# Altium PCB 400501.PcbDoc (part 1 of 4) (continued)
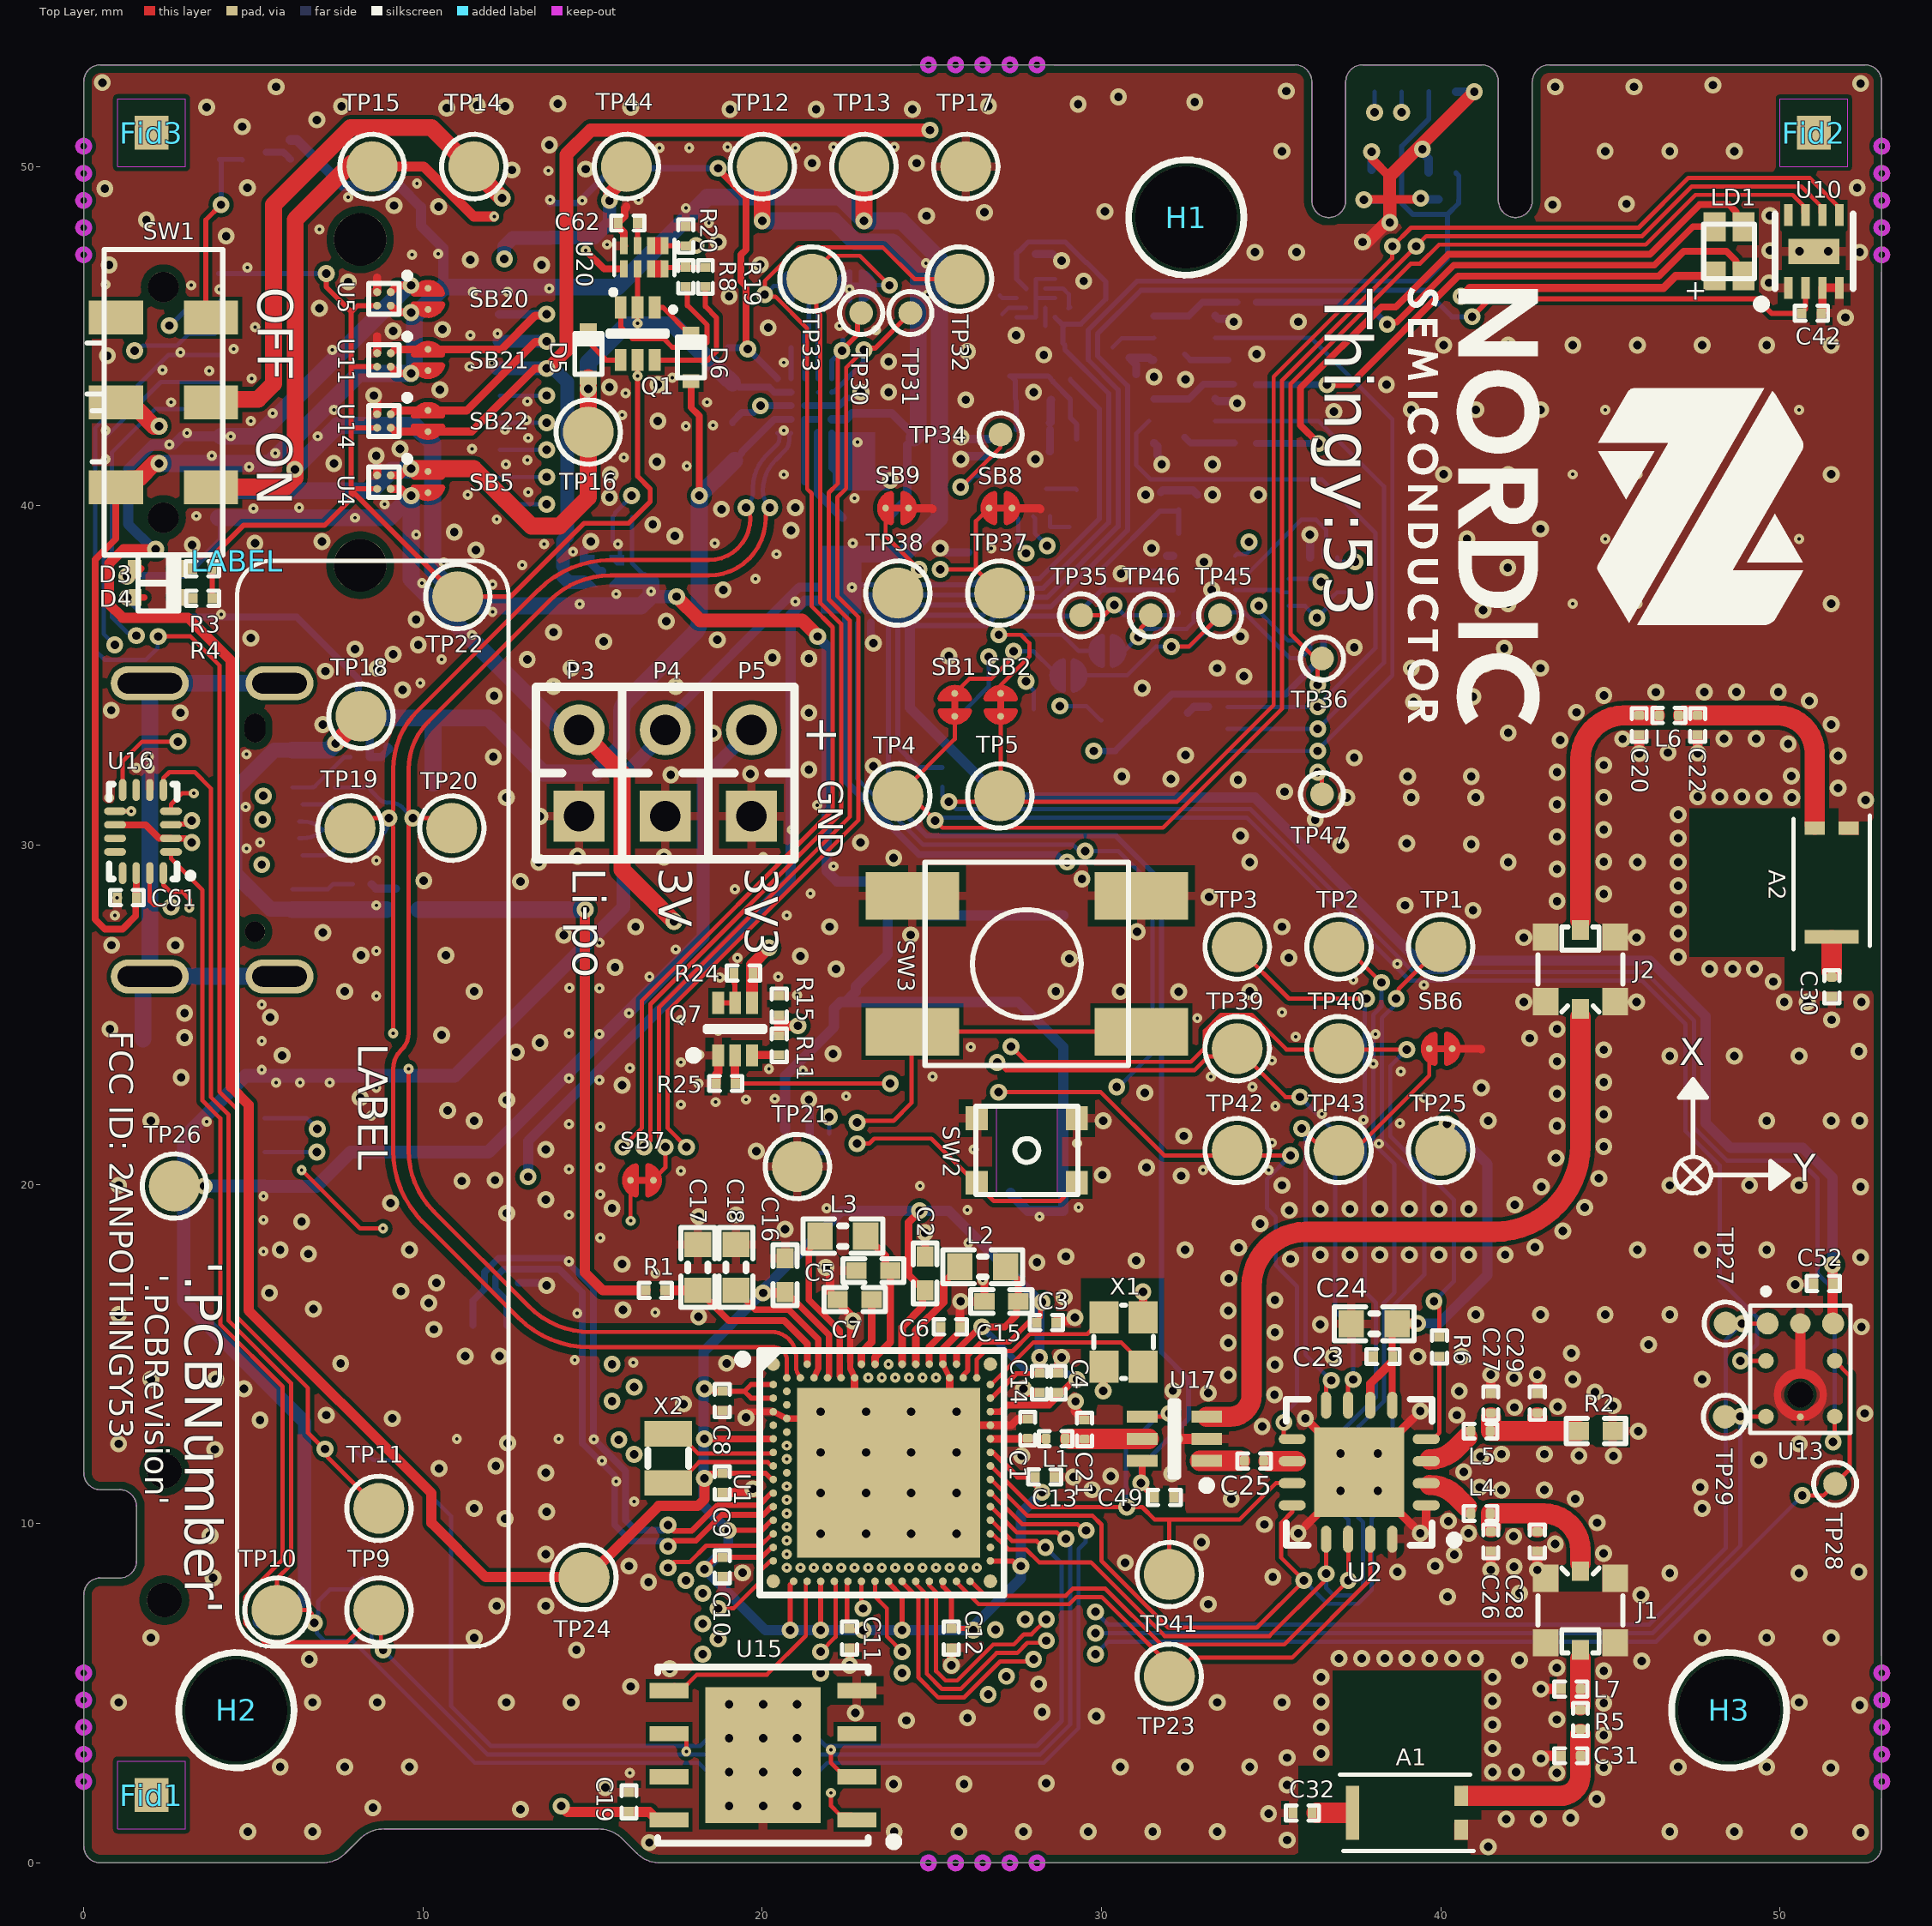
[diagram p0: Top Layer view]
## Components (designator, comment, footprint, x,y, rotation, side; value= is the part's Value field where it differs from the comment) (continued)
TP17 "Ø1.5mm,SMD" TP_SMD_D1.5mm 26,50 r0 top
TP18 "Ø1.5mm,SMD" TP_SMD_D1.5mm 8.175,33.8 r0 top
TP19 "Ø1.5mm,SMD" TP_SMD_D1.5mm 7.85,30.5 r0 top locked
TP20 "Ø1.5mm,SMD" TP_SMD_D1.5mm 10.85,30.5 r0 top locked
TP21 "Ø1.5mm,SMD" TP_SMD_D1.5mm 21.035,20.525 r0 top
TP22 "Ø1.5mm,SMD" TP_SMD_D1.5mm 11.025,37.325 r0 top
TP23 "Ø1.5mm,SMD" TP_SMD_D1.5mm 32,5.5 r0 top
TP24 "Ø1.5mm,SMD" TP_SMD_D1.5mm 14.749,8.416 r0 top
TP25 "Ø1.5mm,SMD" TP_SMD_D1.5mm 40,21 r0 top
TP26 "Ø1.5mm,SMD" TP_SMD_D1.5mm 2.675,19.95 r0 top
TP27 "Ø0.7mm,SMD" TP_SMD_D0.7mm 48.4,15.9 r0 top
TP28 "Ø0.7mm,SMD" TP_SMD_D0.7mm 51.625,11.175 r0 top
TP29 "Ø0.7mm,SMD" TP_SMD_D0.7mm 48.375,13.15 r0 top
TP30 "Ø0.7mm,SMD" TP_SMD_D0.7mm 22.916,45.684 r0 top
TP31 "Ø0.7mm,SMD" TP_SMD_D0.7mm 24.366,45.684 r0 top
TP32 "Ø1.5mm,SMD" TP_SMD_D1.5mm 25.816,46.684 r0 top
TP33 "Ø1.5mm,SMD" TP_SMD_D1.5mm 21.464,46.684 r0 top
TP34 "Ø0.7mm,SMD" TP_SMD_D0.7mm 27.025,42.1 r0 top
TP35 "Ø0.7mm,SMD" TP_SMD_D0.7mm 29.4,36.775 r0 top
TP36 "Ø0.7mm,SMD" TP_SMD_D0.7mm 36.5,35.5 r0 top
TP37 "Ø1.5mm,SMD" TP_SMD_D1.5mm 27,37.428 r0 top
TP38 "Ø1.5mm,SMD" TP_SMD_D1.5mm 24,37.428 r0 top
TP39 "Ø1.5mm,SMD" TP_SMD_D1.5mm 34,24 r0 top
TP40 "Ø1.5mm,SMD" TP_SMD_D1.5mm 37,24 r0 top
TP41 "Ø1.5mm,SMD" TP_SMD_D1.5mm 32,8.5 r0 top
TP42 "Ø1.5mm,SMD" TP_SMD_D1.5mm 34,21 r0 top
TP43 "Ø1.5mm,SMD" TP_SMD_D1.5mm 37,21 r0 top
TP44 "Ø1.5mm,SMD" TP_SMD_D1.5mm 16,50 r0 top
TP45 "Ø0.7mm,SMD" TP_SMD_D0.7mm 33.5,36.775 r0 top
TP46 "Ø0.7mm,SMD" TP_SMD_D0.7mm 31.45,36.775 r0 top
TP47 "Ø0.7mm,SMD" TP_SMD_D0.7mm 36.5,31.5 r0 top
U1 "nRF5340-QKAA" AQFN40P700X700X85_HS-99N 23.525,11.5 r0 top
U2 "nRF21540-QDAAG00" QFN65P400X400X65_HS-17N 37.597,11.517 r180 top
U3 "nPM1100-CAAAE0" BGA25C40P5X5_200X200X50 21.25,42.95 r0 bottom locked
U4 "TCK106AG" BGA4C40P2X2_76X76X62#1 8.85,40.7 r270 top
U5 "TCK106AG" BGA4C40P2X2_76X76X62#1 8.85,46.1 r270 top
U6 "NCP114AMX330" UDFN65P100X100X60_HS-5N 15.275,38.075 r0 bottom
U7 "BMI270" BMI270 33.025,38.025 r90 bottom
U8 "ADXL362" LGA50P322X300X114-16N 27.985,40.965 r180 bottom
U9 "BME688" BME680 39.25,51.011 r90 bottom
U10 "BH1749NUC" WSON50P210X210X60_HS-9N 51,47.5 r90 top locked
U11 "TCK106AG" BGA4C40P2X2_76X76X62#1 8.85,44.3 r270 top
U12 "BMM150" BMM150 28.065,46.122 r270 bottom
U13 "VM3011" VM3011 50.6,13.8 r0 top
U14 "TCK106AG" BGA4C40P2X2_76X76X62#1 8.85,42.5 r270 top
U15 "MX25R6435F" SON127P600X80_HS-9N 20.025,3.175 r180 top locked
U16 "FSA2466UMX" XQFN40P180X260X50-16N 1.75,30.4 r180 top
U17 "PE4259" SOT65P210X100-6N 32.15,12.5 r180 top
U18 "FSA2466UMX" XQFN40P180X260X50-16N 36.35,37.25 r0 bottom
U19 "TCK106AG" BGA4C40P2X2_76X76X62#2 23,36.75 r180 bottom
U20 "SLG59M1448V" SLG59M1448V 16.525,47.325 r90 top
X1 "32MHz" BT-XTAL_2016 30.65,15.355 r90 top
X2 "32.768kHz" XTAL_2012 17.225,11.925 r270 top

## Footprints (in the part's own frame and the unit in brackets; to place one, negate y for a bottom-side part, rotate by r counter-clockwise, add the part's x,y. Pads: shape width x height; smd on the part's side, far side on the other; paste and mask are expansions set on the pad)
"2 PIN STARPOINT"#1 [mil]
  round 5 smd paste-196.85 mask+3: 1(-8,0) 2(8,0)
  Top Layer region: -11,3 11,3 11,-20.67 -11,-20.67
"2 PIN STARPOINT"#2 [mil]
  round 5 smd paste-3 mask-3: 1(-8,0) 2(8,0)
  Top Layer region: -11.03,5.91 10.97,5.91 10.97,-5.91 -11.03,-5.91
"2 PIN STARPOINT"#3 [mil]
  round 5.98 smd paste-196.85 mask-196.85: 1(8,0) 2(-8,0)
  Top Layer region: -11,5.91 11,5.91 11,-5.91 -11,-5.91
10056847-101LF [mm]
  rect 0.5x2 smd: 1(-3.4,-4.1) 2(-2.6,-4.1) 3(-1.8,-4.1) 4(-1,-4.1) 5(-0.2,-4.1) 6(0.6,-4.1) 7(1.4,-4.1) 8(2.2,-4.1) 9(3,-4.1) 10(3.8,-4.1) 11(3.4,4.1) 12(2.6,4.1) 13(1.8,4.1) 14(1,4.1) 15(0.2,4.1) 16(-0.6,4.1) 17(-1.4,4.1) 18(-2.2,4.1) 19(-3,4.1) 20(-3.8,4.1)
  round 1.55 hole 1.55 unplated: ""(-4.8,0) ""(4.8,0)
  silkscreen extent -5.5,-3.9 5.5,3.9, body extent -5.5,-4.5 5.5,4.53, height 5.28
AQFN40P700X700X85_HS-99N [mm] "AQFN, 98-Leads, Body 7.00x7.00mm, Pitch 0.40mm, Thermal Pad 5.4x5.0mm, IPC Medium Density"
  rect 5.4x5 smd: 104(0.2,0)
  round 0.4 smd: A1(-3.2,3.2) A31(3.2,3.2) AL1(-3.2,-3.2) AL31(3.2,-3.2)
  round 0.225 smd paste+0.008: A5(-2.2,3.2) A13(-0.6,3.2) A15(-0.2,3.2) A17(0.2,3.2) A19(0.6,3.2) A21(1,3.2) A23(1.4,3.2) A25(1.8,3.2) A27(2.2,3.2) AA1(-3.2,-1) AA31(3.2,-1) AB2(-2.8,-1.2) AC1(-3.2,-1.4) AC31(3.2,-1.4) AD2(-2.8,-1.6) AE1(-3.2,-1.8) AE31(3.2,-1.8) AF2(-2.8,-2) AG1(-3.2,-2.2) AG31(3.2,-2.2) AH2(-2.8,-2.4) AJ1(-3.2,-2.6) AJ31(3.2,-2.6) AK2(-2.8,-2.8) AK4(-2.4,-2.8) AK6(-2,-2.8) AK8(-1.6,-2.8) AK10(-1.2,-2.8) AK12(-0.8,-2.8) AK14(-0.4,-2.8) AK16(0,-2.8) AK18(0.4,-2.8) AK20(0.8,-2.8) AK22(1.2,-2.8) AK24(1.6,-2.8) AK26(2,-2.8) AK28(2.4,-2.8) AK30(2.8,-2.8) AL3(-2.6,-3.2) AL5(-2.2,-3.2) AL7(-1.8,-3.2) AL9(-1.4,-3.2) AL11(-1,-3.2) AL13(-0.6,-3.2) AL15(-0.2,-3.2) AL17(0.2,-3.2) AL19(0.6,-3.2) AL21(1,-3.2) AL23(1.4,-3.2) AL25(1.8,-3.2) AL27(2.2,-3.2) AL29(2.6,-3.2) B2(-2.8,2.8) B4(-2.4,2.8) B6(-2,2.8) B8(-1.6,2.8) B10(-1.2,2.8) B12(-0.8,2.8) B14(-0.4,2.8) B16(0,2.8) B18(0.4,2.8) B20(0.8,2.8) B22(1.2,2.8) B24(1.6,2.8) B26(2,2.8) B28(2.4,2.8) B30(2.8,2.8) C1(-3.2,2.6) C31(3.2,2.6) D2(-2.8,2.4) E1(-3.2,2.2) E31(3.2,2.2) F2(-2.8,2) G1(-3.2,1.8) G31(3.2,1.8) H2(-2.8,1.6) J1(-3.2,1.4) J31(3.2,1.4) K2(-2.8,1.2) L1(-3.2,1) L31(3.2,1) M2(-2.8,0.8) N1(-3.2,0.6) N31(3.2,0.6) P2(-2.8,0.4) R1(-3.2,0.2) R31(3.2,0.2) T2(-2.8,0) U1(-3.2,-0.2) U31(3.2,-0.2) V2(-2.8,-0.4) W1(-3.2,-0.6) W31(3.2,-0.6) Y2(-2.8,-0.8)
  rrect15% 1.1x1 on Top Paste: ""(-1.75,-1.8) ""(-1.75,-0.6) ""(-1.75,0.6) ""(-1.75,1.8) ""(-0.45,-1.8) ""(-0.45,-0.6) ""(-0.45,0.6) ""(-0.45,1.8) ""(0.85,-1.8) ""(0.85,-0.6) ""(0.85,0.6) ""(0.85,1.8) ""(2.15,-1.8) ""(2.15,-0.6) ""(2.15,0.6) ""(2.15,1.8)
  silkscreen extent -4.22,-3.6 3.6,3.6, body extent -3.5,-3.5 3.5,3.5, height 0.85
BGA4C40P2X2_76X76X62#1 [mm] "BGA, 4-Leads, Body 0.8x0.8mm,  Pitch 0.40mm"
  round 0.235 smd: A1(-0.2,0.2) A2(0.2,0.2) B1(-0.2,-0.2) B2(0.2,-0.2)
  silkscreen extent -0.74,-0.45 0.45,0.74, body extent -0.39,-0.39 0.4,0.4, height 0.55
BGA4C40P2X2_76X76X62#2 [mm] "BGA, 4-Leads, Body 0.8x0.8mm,  Pitch 0.40mm"
  round 0.235 smd mask+0.05: A1(-0.2,0.2) A2(0.2,0.2) B1(-0.2,-0.2) B2(0.2,-0.2)
  silkscreen extent -0.74,-0.45 0.45,0.74, body extent -0.39,-0.39 0.4,0.4, height 0.55
BGA25C40P5X5_200X200X50 [mm] "BGA, 25-Leads, Body 2.00x2.00mmx0.50mm, Pitch 0.40mm"
  round 0.193 smd: A1(-0.8,0.8) A2(-0.4,0.8) A3(0,0.8) A4(0.4,0.8) A5(0.8,0.8) B1(-0.8,0.4) B2(-0.4,0.4) B3(0,0.4) B4(0.4,0.4) B5(0.8,0.4) C1(-0.8,0) C2(-0.4,0) C3(0,0) C4(0.4,0) C5(0.8,0) D1(-0.8,-0.4) D2(-0.4,-0.4) D3(0,-0.4) D4(0.4,-0.4) D5(0.8,-0.4) E1(-0.8,-0.8) E2(-0.4,-0.8) E3(0,-0.8) E4(0.4,-0.8) E5(0.8,-0.8)
  silkscreen extent -1.18,-1 1,1.18, body extent -1,-1 1,1, height 0.5
BME680 [mm]
  rect 0.4x0.4 smd: 1(1.2,1.2) 2(1.2,0.4) 3(1.2,-0.4) 4(1.2,-1.2) 5(-1.2,-1.2) 6(-1.2,-0.4) 7(-1.2,0.4) 8(-1.2,1.2)
  silkscreen extent -1.58,-1.58 1.82,1.83, body extent -1.5,-1.5 1.5,1.5, height 0.93
BMI270 [mm] "Description 6-axis, smart, low-power, inertial measurement unit"
  rect 0.475x0.25 smd: 1(-1.162,0.75) 2(-1.162,0.25) 3(-1.162,-0.25) 4(-1.162,-0.75) 8(1.162,-0.75) 9(1.162,-0.25) 10(1.162,0.25) 11(1.162,0.75)
  rect 0.25x0.475 smd: 5(-0.5,-0.913) 6(0,-0.913) 7(0.5,-0.913) 12(0.5,0.913) 13(0,0.913) 14(-0.5,0.913)
  silkscreen extent -1.76,-1.25 1.5,1.51, body extent -1.5,-1.25 1.5,1.25, height 0.7
BMM150 [mm] "BGA, 12-Leads, Body 1.56x1.56mmx0.60mm, Pitch 0.40mm"
  round 0.2 smd: A1(-0.566,0.566) A3(0,0.566) A5(0.566,0.566) B2(-0.283,0.283) B4(0.283,0.283) C1(-0.566,0) C5(0.566,0) D2(-0.283,-0.283) D4(0.283,-0.283) E1(-0.566,-0.566) E3(0,-0.566) E5(0.566,-0.566)
  silkscreen extent -1.06,-0.88 0.88,1.06, body extent -0.74,-0.81 0.82,0.75, height 0.58
BT-XTAL_2016 [mm] "Crystal 2.0 x 1.6 mm"
  rect 0.95x0.85 smd: 1(-0.725,-0.575) 2(0.725,-0.575) 3(0.725,0.575) 4(-0.725,0.575)
  silkscreen extent -1.08,-0.88 1.08,0.88, body extent -1.05,-0.85 1.05,0.85, height 0.56
Buzzer_PKMCS0909 [mm]
  rect 1.3x3.4 smd: 1(-4.35,0) 2(4.35,0)
  silkscreen extent -4.5,-4.5 4.5,4.5, body extent -4.5,-4.5 4.5,4.5, height 1.9
CAPC0603X03L_C#1 [mm] "Chip Capacitor, 2-Leads, Body 0.6x0.3mm, IPC High Density"
  rect 0.27x0.3 smd: 1(-0.285,0)
  rrect50% 0.27x0.3 smd: 2(0.285,0)
  silkscreen extent -0.49,-0.22 0.49,0.22, body extent -0.3,-0.15 0.31,0.15, height 0.3
CAPC0603X03L_C#2 [mm] "Chip Capacitor, 2-Leads, Body 0.6x0.3mm, IPC High Density"
  rect 0.27x0.3 smd: 1(-0.285,0) 2(0.285,0)
  silkscreen extent -0.49,-0.22 0.49,0.22, body extent -0.3,-0.15 0.31,0.15, height 0.3
CAPC0603X03L_C#3 [mm] "Chip Capacitor, 2-Leads, Body 0.6x0.3mm, IPC High Density"
  rect 0.27x0.3 smd mask+0.05: 1(-0.285,0)
  rrect50% 0.27x0.3 smd mask+0.05: 2(0.285,0)
  silkscreen extent -0.49,-0.22 0.49,0.22, body extent -0.3,-0.15 0.31,0.15, height 0.3
CAPC0603X03L_C#4 [mm] "Chip Capacitor, 2-Leads, Body 0.6x0.3mm, IPC High Density"
  rrect50% 0.27x0.3 smd: 1(-0.285,0) 2(0.285,0)
  silkscreen extent -0.49,-0.22 0.49,0.22, body extent -0.3,-0.15 0.31,0.15, height 0.3
CAPC0603X03L_C#5 [mm] "Chip Capacitor, 2-Leads, Body 0.6x0.3mm, IPC High Density"
  rrect50% 0.27x0.3 smd: 1(-0.285,0)
  rect 0.27x0.3 smd: 2(0.285,0)
  silkscreen extent -0.49,-0.22 0.49,0.22, body extent -0.3,-0.15 0.31,0.15, height 0.3
CAPC0603X03L_C#6 [mm] "Chip Capacitor, 2-Leads, Body 0.6x0.3mm, IPC High Density"
  rect 0.27x0.3 smd mask+0.05: 1(-0.285,0) 2(0.285,0)
  silkscreen extent -0.49,-0.22 0.49,0.22, body extent -0.3,-0.15 0.31,0.15, height 0.3
CAPC0603X03L_C_NC#1 [mm] "Chip Capacitor, 2-Leads, Body 0.6x0.3mm, IPC High Density"
  rect 0.27x0.3 smd mask+0.05: 1(-0.285,0)
  rrect50% 0.27x0.3 smd mask+0.05: 2(0.285,0)
  silkscreen extent -0.49,-0.22 0.49,0.22
CAPC0603X03L_C_NC#2 [mm] "Chip Capacitor, 2-Leads, Body 0.6x0.3mm, IPC High Density"
  rect 0.27x0.3 smd: 1(-0.285,0)
  rrect50% 0.27x0.3 smd: 2(0.285,0)
  silkscreen extent -0.49,-0.22 0.49,0.22
CAPC1005X04L [mm] "Chip Capacitor, 2-Leads, Body 1.0x0.5mm, IPC High Density"
  rect 0.6x0.5 smd: 1(-0.5,0) 2(0.5,0)
  silkscreen extent -0.9,-0.35 0.9,0.35, body extent -0.51,-0.25 0.51,0.25, height 0.5
CAPC1608X06L [mm] "Chip Capacitor, 2-Leads, Body 1.6x0.8mm, IPC High Density"
  rect 0.75x0.8 smd: 1(-0.675,0) 2(0.675,0)
  silkscreen extent -1.17,-0.5 1.17,0.5, body extent -0.8,-0.43 0.8,0.43, height 0.8
COAXIAL-SWF [mm]
  rect 0.5x0.58 smd: 1(0,1.16) 3(0,-1.16)
  rect 0.75x0.8 smd: 2(-1.025,-0.95) 2(-1.025,0.95) 2(1.025,-0.95) 2(1.025,0.95)
  Top Layer pour cut-out: -0.65,0.55 0.65,0.55 0.65,1.35 -0.65,1.35
  Top Layer pour cut-out: 0.65,-0.55 -0.65,-0.55 -0.65,-1.35 0.65,-1.35
  silkscreen extent -1.25,-1.25 1.25,1.25, body extent -1.26,-1.3 1.26,1.3, height 1.55
DFN65P100X40-3L#1 [mm] "DFN, 3-Leads, Body 0.60x1.00mm, Pitch 0.65mm, IPC High Density"
  rect 0.4x0.25 smd mask+0.05: 1(-0.35,0.225) 2(-0.35,-0.225)
  rect 0.4x0.7 smd mask+0.065: 3(0.35,0)
  silkscreen extent -0.57,0.58 -0.48,0.67, body extent -0.53,-0.33 0.53,0.33, height 0.4
DFN65P100X40-3L#2 [mm] "DFN, 3-Leads, Body 0.60x1.00mm, Pitch 0.65mm, IPC High Density"
  rect 0.4x0.25 smd: 1(-0.35,0.225) 2(-0.35,-0.225)
  rect 0.4x0.7 smd: 3(0.35,0)
  silkscreen extent -0.57,0.58 -0.48,0.67, body extent -0.52,-0.33 0.53,0.32, height 0.4
DFN65P200X60_HS-6N [mm] "DFN, 6-Leads, Body 2,00x2,00mm, Pitch 0,65mm, IPC Medium Density"
  rect 0.45x0.35 smd: 1(-0.925,0.65) 2(-0.925,0) 3(-0.925,-0.65) 4(0.925,-0.65) 5(0.925,0) 6(0.925,0.65)
  rect 0.9x0.6 smd: 3(0,-0.525) 6(0,0.525)
  silkscreen extent -1.49,-1.19 1.04,1.24, body extent -1.05,-1.04 1.05,1.04, height 0.61
DX07S016JA1R1500 [mm] "USB TYPE C RECEPTACLE, 16 PIN"
  round 0.6 hole 0.6 unplated: 0(-3,0)
  oval 0.85x0.6 hole 0.6 slot 0.85 at 0 deg unplated: 0(3,0)
  rect 0.52x1 smd mask+0.075: 1(-3.1,1.1) 2(-2.35,1.1) 11(2.35,1.1) 12(3.1,1.1)
  rect 0.27x1 smd mask+0.075: 3(-1.75,1.1) 4(-1.25,1.1)
  rect 0.25x1 smd mask+0.075: 5(-0.75,1.1) 6(-0.25,1.1) 7(0.25,1.1) 8(0.75,1.1) 9(1.25,1.1) 10(1.75,1.1)
  oval 1x2.3 hole 0.6 slot 1.9 at 90 deg: 13(-4.32,-3.1) 13(4.32,-3.1)
  oval 1x2 hole 0.6 slot 1.6 at 90 deg: 13(-4.32,0.725) 13(4.32,0.725)
  rect 1x2 smd: 13(-1.4,-3.1) 13(1.4,-3.1)
  oval 1.2x2.5 on Bottom Paste: ""(-4.32,-3.1) ""(4.32,-3.1)
  oval 1.2x2.2 on Bottom Paste: ""(-4.32,0.725) ""(4.32,0.725)
  silkscreen extent -4.5,-4.8 4.5,-0.45, body extent -4.47,-5.55 4.47,1.35, height 3.18
Fiducial_Round-Square [mm] "Fiducial Mark"
  rect 1x1 smd paste-10 mask+0.5: 0(0,0)
  round 1 smd far side paste-10 mask+0.5: 0(0,0)
  Top Layer keep-out lines w0.01: -1,-1 -1,1 1,1 1,-1 -1,-1
  Bottom Layer keep-out circle w0.01: c0,0 r1
FPC_05P-0.5mm-RA-SMD [mm] "FPC, 5-Leads, Pitch 0,5mm"
  rect 0.6x2.6 smd: 0(-0.9,-2.3) 0(2.9,-2.3)
  rect 0.3x0.8 smd: 1(0,0) 2(0.5,0) 3(1,0) 4(1.5,0) 5(2,0)
  silkscreen extent -1.38,-3.93 3.38,0.08, body extent -1.3,-3.85 3.3,0.2, height 1.2
HDR_2x5-SMD-1.27mm-ANG [mm] "Pin Header Angled, 1.27mm SMD, FTSH-105 series, \"SWD\" version"
  round 1.02 hole 1.02 unplated: 0(-1.905,-4.32) 0(1.905,-4.32)
  rect 0.76x2.03 smd: 1(-2.54,-1.525) 2(-2.54,1.525) 3(-1.27,-1.525) 4(-1.27,1.525) 5(0,-1.525) 6(0,1.525) 7(1.27,-1.525) 8(1.27,1.525) 9(2.54,-1.525) 10(2.54,1.525)
  silkscreen extent -3.17,-5.57 3.17,-3.07, body extent -3.18,-8.63 3.17,2.27, height 3.41
HOLE_NP_3MM [mm] "Regular 3mm non-plated hole"
  round 3 hole 3 unplated: ""(0,0)
  silkscreen extent -1.7,-1.7 1.7,1.7
INDC0603X03L_C [mm] "Chip Inductor, 2-Leads, Body 0.6x0.3mm, IPC High Density"
  rrect50% 0.27x0.3 smd: 1(-0.285,0) 2(0.285,0)
  silkscreen extent -0.49,-0.22 0.49,0.22, body extent -0.31,-0.16 0.31,0.16, height 0.26
INDC0603X03L_C_NC [mm] "Chip Inductor, 2-Leads, Body 0.6x0.3mm, IPC High Density"
  rect 0.27x0.3 smd: 1(-0.285,0)
  rrect50% 0.27x0.3 smd: 2(0.285,0)
  silkscreen extent -0.49,-0.22 0.49,0.22
INDC1005X04L [mm] "Chip Inductor, 2-Leads, Body 1.0x0.5mm, IPC High Density"
  rect 0.65x0.5 smd: 1(-0.475,0) 2(0.475,0)
  silkscreen extent -0.9,-0.35 0.9,0.35, body extent -0.5,-0.3 0.5,0.3, height 0.5
INDC1608X06L [mm] "Chip Inductor, 2-Leads, Body 1.6x0.8mm, IPC High Density"
  rect 0.75x0.8 smd: 1(-0.675,0) 2(0.675,0)
  silkscreen extent -1.17,-0.5 1.17,0.5, body extent -0.8,-0.48 0.8,0.48, height 0.8
LabelSilk_8x32 [mm] "PCA version label, stick-on, 8x32mm"
  silkscreen extent 0,0 32,8, body extent 0,0 32,8, height 0.1
LED_RGB_0606 [mm]
  rect 0.65x0.85 smd: 1(-0.425,0.725) 2(0.425,0.725) 3(0.425,-0.725) 4(-0.425,-0.725)
  silkscreen extent -0.75,-0.8 0.75,0.8, body extent -0.75,-0.8 0.75,0.8, height 0.35
LGA50P322X300X114-16N [mm] "LGA, 16-Leads, Body 3.25x3.00mm, Pitch 0.50mm, IPC Medium Density"
  rect 0.925x0.3 smd mask+0.06: 1(-1.288,1) 2(-1.288,0.5) 3(-1.288,0) 4(-1.288,-0.5) 5(-1.288,-1) 10(1.288,-0.5) 11(1.288,0) 12(1.288,0.5) 13(1.288,1)
  rect 0.3x0.8 smd mask+0.06: 6(-0.5,-1.275) 7(0,-1.275) 8(0.5,-1.275) 14(0.5,1.275) 15(0,1.275) 16(-0.5,1.275)
  rect 0.925x0.3 smd mask+0.055: 9(1.288,-1)
  silkscreen extent -2.5,-1.62 1.72,1.67, body extent -1.65,-1.55 1.65,1.55, height 1.14
LIST_1x2-NC [mm] "Pin List, 2.54mm through hole"
  rect 1.5x1.5 hole 0.9: 1(-1.27,0)
  round 1.5 hole 0.9: 2(1.27,0)
  silkscreen extent -2.54,-1.27 2.54,1.27
QFN65P400X400X65_HS-17N [mm] "QFN, 16-Leads, Body 4.00x4.00mm, Pitch 0.65mm, Thermal Pad 2.65x2.65mm, IPC Medium Density"
  oval 0.8x0.3 smd: 1(-1.975,0.975) 2(-1.975,0.325) 3(-1.975,-0.325) 4(-1.975,-0.975) 9(1.975,-0.975) 10(1.975,-0.325) 11(1.975,0.325) 12(1.975,0.975)
  oval 0.3x0.8 smd: 5(-0.975,-1.975) 6(-0.325,-1.975) 7(0.325,-1.975) 8(0.975,-1.975) 13(0.975,1.975) 14(0.325,1.975) 15(-0.325,1.975) 16(-0.975,1.975)
  rect 2.65x2.65 smd: 17(0,0)
  silkscreen extent -2.93,-2.15 2.15,2.15, body extent -2,-2 2,2, height 0.65
RESC0603X03L_C#1 [mm] "Chip Resistor, 2-Leads, Body 0.6x0.3mm, IPC High Density"
  rect 0.27x0.3 smd: 1(-0.285,0) 2(0.285,0)
  silkscreen extent -0.49,-0.22 0.49,0.22, body extent -0.3,-0.15 0.3,0.15, height 0.23
RESC0603X03L_C#2 [mm] "Chip Resistor, 2-Leads, Body 0.6x0.3mm, IPC High Density"
  rrect50% 0.27x0.3 smd: 1(-0.285,0) 2(0.285,0)
  silkscreen extent -0.49,-0.22 0.49,0.22, body extent -0.3,-0.15 0.3,0.15, height 0.23
RESC0603X03L_C_NC [mm] "Chip Resistor, 2-Leads, Body 0.6x0.3mm, IPC High Density"
  rect 0.27x0.3 smd: 1(-0.285,0) 2(0.285,0)
  silkscreen extent -0.49,-0.22 0.49,0.22
RESC1005X04L [mm] "Chip Resistor, 2-Leads, Body 1.0x0.5mm, IPC High Density"
  rect 0.6x0.55 smd mask+0.05: 1(-0.5,0) 2(0.5,0)
  silkscreen extent -0.87,-0.38 0.88,0.38, body extent -0.5,-0.25 0.5,0.25, height 0.3
SLG59M1448V [mm] "SON, 8-Leads, Body 1,60x1,00mm, Pitch 0,40mm, IPC Medium Density"
  rect 0.5x0.23 smd mask+0.05: 1(-0.34,0.6) 2(-0.34,0.2) 3(-0.34,-0.2) 4(-0.34,-0.6) 5(0.34,-0.6) 6(0.34,-0.2) 7(0.34,0.2) 8(0.34,0.6)
  Top Layer region: 0.09,-0.515 0.59,-0.515 0.59,-0.285 0.09,-0.285
  Top Layer region: -0.59,-0.515 -0.09,-0.515 -0.09,-0.285 -0.59,-0.285
  silkscreen extent -1.08,-0.89 0.53,0.96, body extent -0.53,-0.82 0.53,0.82, height 0.6
SM03B-SRSS-TB [mm] "JST, SH connector, side entry SMD, 1mm pitch"
  rect 1.2x1.8 smd: 0(-2.6,-3.875) 0(2.6,-3.875)
  rect 0.6x1.55 smd: 1(-1,0) 2(0,0) 3(1,0)
  silkscreen extent -2.57,-4.68 2.58,-0.3, body extent -2.5,-4.61 2.5,0.34, height 2.95
SM04B-SRSS-TB [mm]
  rect 1.2x1.8 smd: 0(-2.8,0) 0(2.8,0)
  rect 0.6x1.55 smd: 1(-1.5,3.875) 2(-0.5,3.875) 3(0.5,3.875) 4(1.5,3.875)
  silkscreen extent -3,-0.7 3,3.55, body extent -3,-0.7 3,4.25, height 2.96
SOD-123-DIODE [mil]
  rect 36x48 smd: 1(-70,0) 2(70,0)
  silkscreen extent -58,-36 58,36, body extent -77,-33 75,33, height 56
SOD-523 [mm]
  rect 0.4x0.5 smd: 1(0.7,0) 3(-0.7,0)
  silkscreen extent -0.6,-0.4 0.6,0.4, body extent -0.8,-0.4 0.8,0.4, height 0.7
Solderbridge#1 [mm]
  round 0.2 smd paste-10: 1(-0.312,0) 2(0.312,0)
  Top Layer region: -0.077,-0.432 -0.152,-0.505 -0.271,-0.467 -0.335,-0.424 -0.409,-0.351 -0.462,-0.292 -0.521,-0.193 -0.549,-0.099 -0.544,0.122 -0.518,0.193 -0.434,0.33 -0.351,0.411 -0.259,0.469 -0.157,0.5 -0.107,0.483 -0.077,0.43
  Top Layer region: 0.077,0.432 0.152,0.505 0.271,0.467 0.335,0.424 0.409,0.351 0.462,0.292 0.521,0.193 0.549,0.099 0.544,-0.122 0.518,-0.193 0.434,-0.33 0.351,-0.411 0.259,-0.469 0.157,-0.5 0.107,-0.483 0.077,-0.43
  Top Layer lines w0.152: 0.153,-0.431 ccw(c0.042,0) 0.461,0.149 ccw(c0.042,0) 0.153,0.431 ; -0.153,-0.431 cw(c-0.042,0) -0.439,-0.2 cw(c-0.042,0) -0.487,0 cw(c-0.042,0) -0.153,0.431
Solderbridge#2 [mm]
  round 0.2 smd paste-1: 1(-0.312,0) 2(0.312,0)
  Top Layer region: 0.077,0.432 0.152,0.505 0.271,0.467 0.335,0.424 0.409,0.351 0.462,0.292 0.521,0.193 0.549,0.099 0.544,-0.122 0.518,-0.193 0.434,-0.33 0.351,-0.411 0.259,-0.469 0.157,-0.5 0.107,-0.483 0.077,-0.43
  Top Layer region: -0.077,-0.432 -0.152,-0.505 -0.271,-0.467 -0.335,-0.424 -0.409,-0.351 -0.462,-0.292 -0.521,-0.193 -0.549,-0.099 -0.544,0.122 -0.518,0.193 -0.434,0.33 -0.351,0.411 -0.259,0.469 -0.157,0.5 -0.107,0.483 -0.077,0.43
  Top Layer lines w0.152: 0.153,-0.431 ccw(c0.042,0) 0.153,0.431 ; -0.153,-0.431 cw(c-0.042,0) -0.332,-0.337 cw(c-0.042,0) -0.4,-0.264 cw(c-0.042,0) -0.4,0.264 cw(c-0.042,0) -0.275,0.379 cw(c-0.042,0) -0.153,0.431
Solderbridge#3 [mm]
  round 0.2 smd paste-1: 1(-0.312,0) 2(0.312,0)
  Top Layer region: 0.077,0.432 0.152,0.505 0.271,0.467 0.335,0.424 0.409,0.351 0.462,0.292 0.521,0.193 0.549,0.099 0.544,-0.122 0.518,-0.193 0.434,-0.33 0.351,-0.411 0.259,-0.469 0.157,-0.5 0.107,-0.483 0.077,-0.43
  Top Layer region: -0.077,-0.432 -0.152,-0.505 -0.271,-0.467 -0.335,-0.424 -0.409,-0.351 -0.462,-0.292 -0.521,-0.193 -0.549,-0.099 -0.544,0.122 -0.518,0.193 -0.434,0.33 -0.351,0.411 -0.259,0.469 -0.157,0.5 -0.107,0.483 -0.077,0.43
  Top Layer lines w0.152: 0.153,-0.431 ccw(c0.042,0) 0.349,-0.322 ccw(c0.042,0) 0.312,0.353 ccw(c0.042,0) 0.153,0.431 ; -0.153,-0.431 cw(c-0.042,0) -0.153,0.431
Solderbridge#4 [mm]
  round 0.2 smd paste-1: 1(-0.312,0) 2(0.312,0)
  Top Layer region: 0.077,0.432 0.152,0.505 0.271,0.467 0.335,0.424 0.409,0.351 0.462,0.292 0.521,0.193 0.549,0.099 0.544,-0.122 0.518,-0.193 0.434,-0.33 0.351,-0.411 0.259,-0.469 0.157,-0.5 0.107,-0.483 0.077,-0.43
  Top Layer region: -0.077,-0.432 -0.152,-0.505 -0.271,-0.467 -0.335,-0.424 -0.409,-0.351 -0.462,-0.292 -0.521,-0.193 -0.549,-0.099 -0.544,0.122 -0.518,0.193 -0.434,0.33 -0.351,0.411 -0.259,0.469 -0.157,0.5 -0.107,0.483 -0.077,0.43
  Top Layer lines w0.152: 0.153,-0.431 ccw(c0.042,0) 0.312,-0.353 ; -0.153,-0.431 cw(c-0.042,0) -0.3,-0.362 cw(c-0.042,0) -0.312,-0.353 cw(c-0.042,0) -0.312,0.353 cw(c-0.042,0) -0.153,0.431 ; 0.461,-0.149 cw(c0.042,0) 0.312,-0.353 ; 0.153,0.431 cw(c0.042,0) 0.312,0.353 cw(c0.042,0) 0.312,-0.353
Solderbridge_Shorted#1 [mm]
  round 0.2 smd paste-10: 1(-0.338,0) 2(0.338,0)
  Top Layer region: 0.102,0.432 0.178,0.505 0.296,0.467 0.361,0.424 0.434,0.351 0.488,0.292 0.546,0.193 0.574,0.099 0.569,-0.122 0.544,-0.193 0.46,-0.33 0.376,-0.411 0.284,-0.469 0.183,-0.5 0.132,-0.483 0.102,-0.43
  Top Layer region: -0.102,-0.432 -0.178,-0.505 -0.296,-0.467 -0.361,-0.424 -0.434,-0.351 -0.488,-0.292 -0.546,-0.193 -0.574,-0.099 -0.569,0.122 -0.544,0.193 -0.46,0.33 -0.376,0.411 -0.284,0.469 -0.183,0.5 -0.132,0.483 -0.102,0.43
  Top Layer lines w0.152: 0.178,-0.431 ccw(c0.068,0) 0.178,0.431 ; -0.178,-0.431 cw(c-0.068,0) -0.178,0.431
  Top Layer lines w0.203: 0.338,0 -0.338,0
Solderbridge_Shorted#2 [mm]
  round 0.2 smd paste-10: 1(-0.338,0) 2(0.338,0)
  Top Layer region: 0.102,0.432 0.178,0.505 0.296,0.467 0.361,0.424 0.434,0.351 0.488,0.292 0.546,0.193 0.574,0.099 0.569,-0.122 0.544,-0.193 0.46,-0.33 0.376,-0.411 0.284,-0.469 0.183,-0.5 0.132,-0.483 0.102,-0.43
  Top Layer region: -0.102,-0.432 -0.178,-0.505 -0.296,-0.467 -0.361,-0.424 -0.434,-0.351 -0.488,-0.292 -0.546,-0.193 -0.574,-0.099 -0.569,0.122 -0.544,0.193 -0.46,0.33 -0.376,0.411 -0.284,0.469 -0.183,0.5 -0.132,0.483 -0.102,0.43
  Top Layer lines w0.152: -0.178,-0.431 cw(c-0.068,0) -0.178,0.431 ; 0.178,-0.431 ccw(c0.068,0) 0.48,0.167 ccw(c0.068,0) 0.178,0.431
  Top Layer lines w0.203: -0.338,0 0.312,0 0.338,0
Solderbridge_Shorted#3 [mm]
  round 0.025 smd paste-2539.97: 1(-0.35,0) 2(0.35,0)
  Top Layer region: -0.125,0.1 -0.125,-0.1 0.125,-0.1 0.125,0.1
  Top Layer region: -0.19,0.492 -0.4,0.4 -0.547,0.223 -0.6,0 -0.6,0 -0.547,-0.223 -0.4,-0.4 -0.19,-0.492 -0.19,-0.492 -0.157,-0.491 -0.127,-0.475 -0.107,-0.449 -0.1,-0.417 -0.1,-0.417 -0.1,0.417 -0.107,0.449 -0.127,0.475 -0.157,0.491 -0.19,0.492
  Top Layer region: 0.19,-0.492 0.4,-0.4 0.547,-0.223 0.6,0 0.6,0 0.547,0.223 0.4,0.4 0.19,0.492 0.19,0.492 0.157,0.491 0.127,0.475 0.107,0.449 0.1,0.417 0.1,0.417 0.1,-0.417 0.107,-0.449 0.127,-0.475 0.157,-0.491 0.19,-0.492
SON127P600X80_HS-9N [mm] "SON, 8-Leads, Body 5.00x6.00mm, Pitch 1.27mm, Thermal Pad 4.00x3.40mm, IPC Medium Density"
  rect 1.15x0.45 smd: 1(-2.77,1.905) 2(-2.77,0.635) 3(-2.77,-0.635) 4(-2.77,-1.905) 5(2.77,-1.905) 6(2.77,-0.635) 7(2.77,0.635) 8(2.77,1.905)
  rect 3.4x4 smd: 9(0,0)
  silkscreen extent -3.97,-2.6 3.1,2.67, body extent -3.05,-2.55 3.05,2.55, height 0.8
SOT65P210X100-6N [mm] "SOT23, 6-Leads, Body 2,2x2,4mm (max), Pitch 0,65mm, IPC Medium Density"
  rect 0.9x0.35 smd: 1(-0.95,0.65) 2(-0.95,0) 3(-0.95,-0.65) 4(0.95,-0.65) 5(0.95,0) 6(0.95,0.65)
  silkscreen extent -1.08,-1.1 0.1,1.5, body extent -1.05,-1 1.05,1, height 0.92
SOT190P230X110-4L [mm] "SOT143, 4-Leads, Body 3.0x2.5mm (max), Pitch 1.90mm, IPC High Density"
  rect 0.85x1 smd: 1(-1.025,0.75)
  rect 0.85x0.6 smd: 2(-1.025,-0.95) 3(1.025,-0.95) 4(1.025,0.95)
  silkscreen extent -1.15,-1.5 0.7,1.93, body extent -1.21,-1.46 1.21,1.46, height 1
SOTFL50P162X60-6N [mm] "SOTFL, 6-Leads, Body 1.60x1.63mm, Pitch 0.50mm, IPC Medium Density"
  rect 0.65x0.35 smd: 1(-0.775,0.5) 2(-0.775,0) 3(-0.775,-0.5) 4(0.775,-0.5) 5(0.775,0) 6(0.775,0.5)
  silkscreen extent -0.76,-0.85 0.05,1.1, body extent -0.81,-0.85 0.81,0.85, height 0.6
SW_TACTILE_2.6x3.0MM_4-LEAD [mm] "2.6×3.0mm TACT Switch, without ground connector"
  rect 0.65x0.7 smd: 1(-1.475,0.95) 1(1.475,0.95) 2(-1.475,-0.95) 2(1.475,-0.95)
  Top Layer keep-out region: -0.9,-1.3 0.9,-1.3 0.9,1.3 -0.9,1.3
  silkscreen extent -1.5,-1.3 1.5,1.3, body extent -1.6,-1.3 1.6,1.3, height 0.65
Switch-PB-6.2x6.3mm-SMD [mm] "6.2×6.5mm TACT Switch, without ground connector"
  rect 2.75x1.4 smd: 1(-3.375,2) 1(3.375,2) 2(-3.375,-2) 2(3.375,-2)
  silkscreen extent -3,-3 3,3, body extent -4,-3 4,3.3, height 3.1
Switch-Slide-RA-J-Lead-DPDT-8.5x3.5mm [mm] "Slide Switches - DPDT, SMD, ON-ON"
  round 0.9 hole 0.9 unplated: 0(-3.4,0) 0(3.4,0)
  rect 1x1.6 smd: 1(-2.5,-1.4) 2(0,-1.4) 3(2.5,-1.4) 4(-2.5,1.4) 5(0,1.4) 6(2.5,1.4)
  silkscreen extent -4.5,-2.25 4.5,1.75, body extent -4.25,-3.75 4.25,1.75, height 3.5
TP_SMD_D0.7mm [mm] "Test point - pad 0.7mm"
  round 0.7 smd paste-5: 1(0,0)
  silkscreen extent -0.63,-0.63 0.64,0.63
TP_SMD_D1.0mm [mm] "Test point - pad 1.0mm"
  round 1 smd paste-5: 1(0,0)
  silkscreen extent -0.76,-0.76 0.76,0.76
TP_SMD_D1.5mm [mm] "Test point - pad 1.5mm"
  round 1.5 smd paste-5: 1(0,0)
  silkscreen extent -0.95,-0.95 0.95,0.95
UDFN65P100X100X60_HS-5N [mm] "UDFN, 4-Leads, Body 1.00x1.00mmx0.60mm, Pitch 0.65mm"
  rect 0.23x0.3 smd: 1(-0.535,0.325) 2(-0.535,-0.325) 3(0.535,-0.325) 4(0.535,0.325)
  rect 0.5x0.5 smd rot 135: 5(0,0)
  Top Layer region: -0.65,-0.475 -0.22,-0.475 -0.22,-0.375 -0.42,-0.175 -0.65,-0.175
  Top Layer region: -0.65,0.475 -0.12,0.475 -0.42,0.175 -0.65,0.175
  Top Layer region: 0.65,-0.475 0.22,-0.475 0.22,-0.375 0.42,-0.175 0.65,-0.175
  Top Layer region: 0.65,0.475 0.22,0.475 0.22,0.375 0.42,0.175 0.65,0.175
  silkscreen extent -0.8,-0.56 0.56,0.8, body extent -0.5,-0.5 0.5,0.5, height 0.6
VM3011 [mm]
  rrect100% 0.65x0.65 smd: 1(-0.965,2.1) 6(0.965,2.1)
  rrect100% 0.46x0.46 smd: 2(-1.015,1) 3(-1.015,-0.64) 4(1.015,-0.64) 5(1.015,1)
  rrect100% 0.6x0.6 smd: 7(0,2.1)
  rrect100% 0.2x0.2 smd: 8(0,-0.65)
  round 0.75 hole 0.75 unplated: MH1(0,0)
  Top Layer region: -0.001,0.48 -0.001,0.78 -0.299,0.721 -0.552,0.552 -0.721,0.299 -0.78,0.001 -0.78,0.001 -0.78,0 -0.721,-0.299 -0.552,-0.552 -0.299,-0.721 0,-0.78 0,-0.78 0.299,-0.721 0.552,-0.552 0.721,-0.299 0.78,0 0.78,0 0.78,0.001 0.721,0.299 0.552,0.552 0.299,0.721 0.001,0.78 0.001,0.78 0.001,0.48 0.177,0.446 0.328,0.351 0.328,0.351 0.36,0.32 0.381,0.311 0.486,0.236 0.556,0.128 0.58,0.001 0.58,0.001 0.58,-0.001 0.556,-0.128 0.486,-0.236 0.381,-0.311 0.381,-0.311 0.36,-0.32 0.329,-0.35 0.177,-0.446 0,-0.48 0,-0.48 -0.177,-0.446 -0.328,-0.35 -0.328,-0.35 -0.36,-0.32 -0.381,-0.311 -0.486,-0.236 -0.556,-0.128 -0.58,-0.001 -0.58,-0.001 -0.58,0.001 -0.556,0.128 -0.486,0.236 -0.381,0.311 -0.381,0.311 -0.36,0.32 -0.328,0.351 -0.177,0.446 -0.001,0.48
  silkscreen extent -1.48,-1.13 1.48,3.1, body extent -1.47,-1.13 1.47,2.63, height 1.3
WLA.01 [mm]
  rect 0.4x0.6 smd paste-2 mask+0.1: 1(-1.6,-0.5) 2(-1.6,0.5)
  rect 0.4x1.6 smd paste-2 mask+0.1: 3(1.6,0)
  Multi-Layer pour cut-out: -1.8,0.8 -1.8,1.175 -1.25,1.175 -1.25,0.8
  Multi-Layer pour cut-out: -1.4,0.2 -2.2,0.2 -2.2,-4.2 2.2,-4.2 2.2,-1.4 3.2,-1.4 3.2,1.175 -1.4,1.175
  silkscreen extent -1.97,-1.12 1.98,1.12, body extent -1.6,-0.8 1.6,0.8, height 0.5
WSON50P210X210X60_HS-9N [mm] "WSON, 8-Leads, Body 2.10x2.10mm, Pitch 0.50mm, Thermal Pad 0.75x1.50mm, IPC Medium Density"
  rect 0.65x0.25 smd: 1(-1.075,0.75) 2(-1.075,0.25) 3(-1.075,-0.25) 4(-1.075,-0.75) 5(1.075,-0.75) 6(1.075,-0.25) 7(1.075,0.25) 8(1.075,0.75)
  rect 0.75x1.5 smd: 9(0,0)
  silkscreen extent -1.67,-1.15 1.1,1.67, body extent -1.1,-1.05 1.1,1.05, height 0.6
XQFN40P180X260X50-16N [mm] "QFN, 16-Leads, Body 1.80x2.60mm, Pitch 0.40mm, IPC Medium Density"
  oval 0.65x0.22 smd paste-0.02 mask+0.04: 1(-0.825,0.6) 2(-0.825,0.2) 3(-0.825,-0.2) 4(-0.825,-0.6) 9(0.825,-0.6) 10(0.825,-0.2) 11(0.825,0.2) 12(0.825,0.6)
  oval 0.22x0.65 smd paste-0.02 mask+0.04: 5(-0.6,-1.225) 6(-0.2,-1.225) 7(0.2,-1.225) 8(0.6,-1.225) 13(0.6,1.225) 14(0.2,1.225) 15(-0.2,1.225) 16(-0.6,1.225)
  silkscreen extent -1.45,-1.4 1,1.4, body extent -0.91,-1.31 0.91,1.31, height 0.55
XTAL_2012 [mm] "XTAL SMD 2.0 x 1.2 mm"
  rect 0.75x1.4 smd: 1(-0.725,0) 2(0.725,0)
  silkscreen extent -0.24,-0.6 0.24,0.6, body extent -1,-0.61 1,0.61, height 0.6